# KiCad board PicoGUS chipdown with edge rails.kicad_pcb (continued)
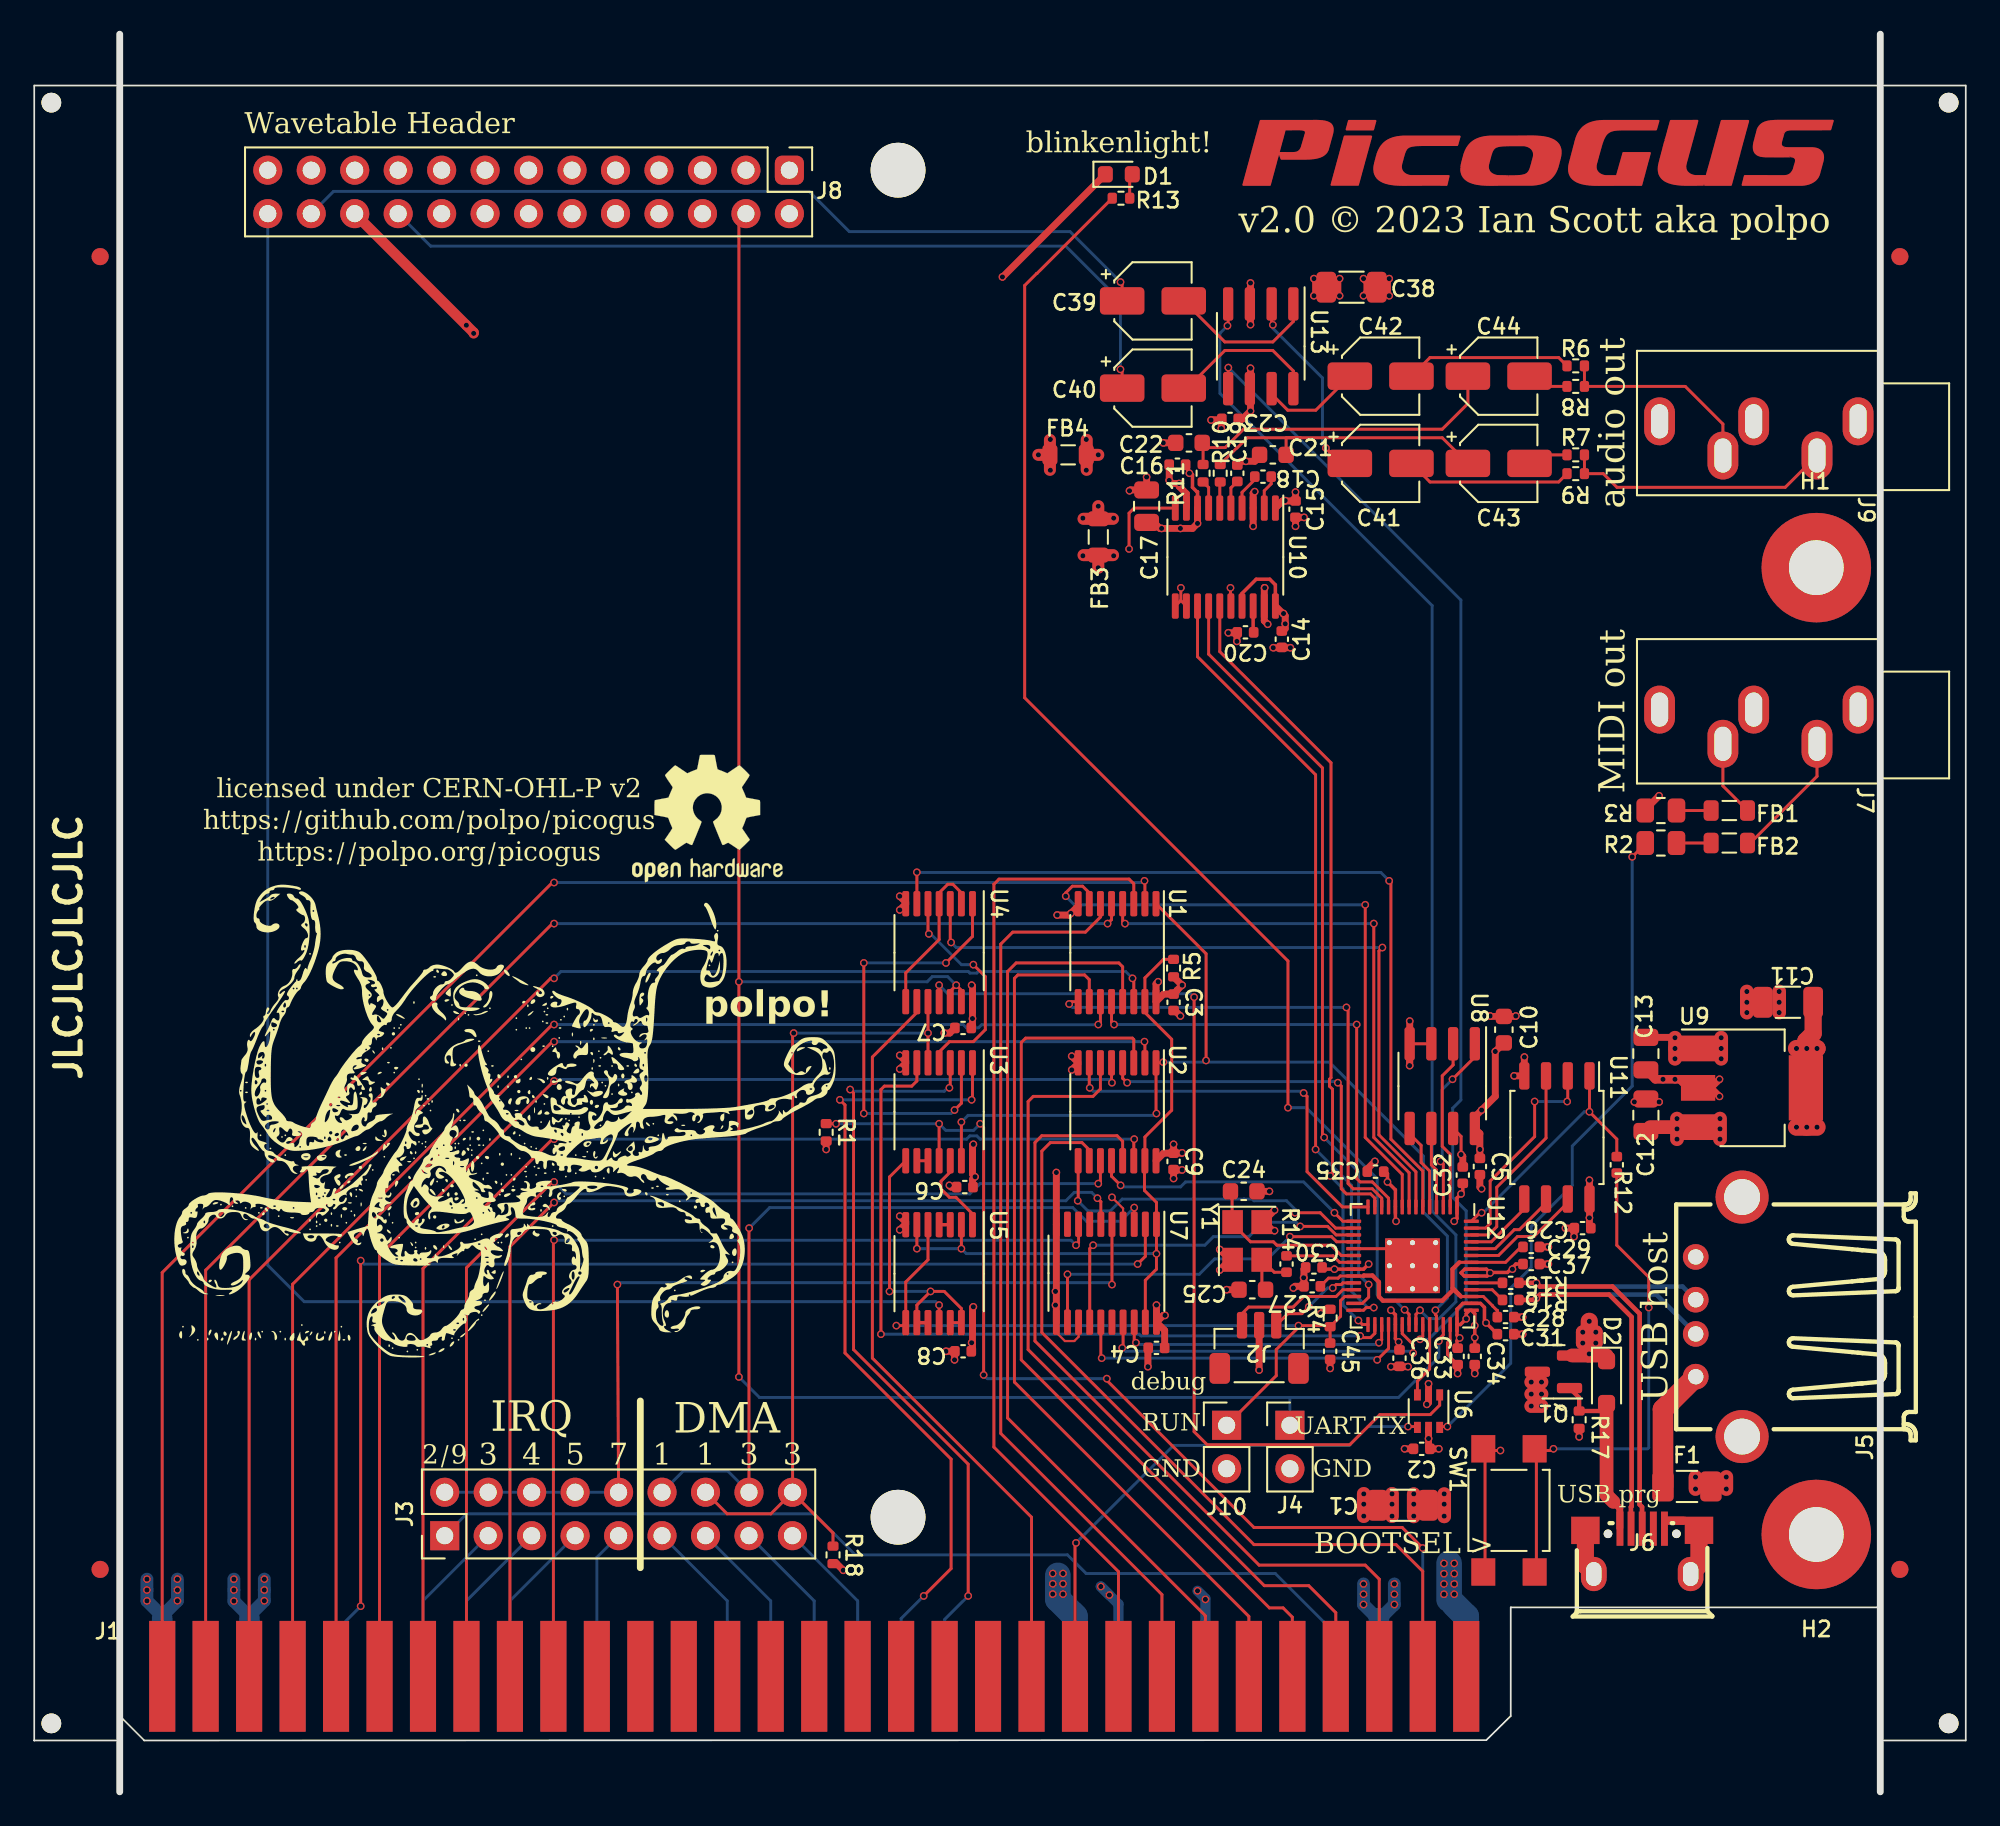
[diagram p0: board, top side]
## Routing (per net, layer and track width the routed paths; a pad name or vN(x,y) marks a point on that pad's centre or on a via; arc(x,y) is an arc through that point) (continued)
Board_0-WTAUDIO_R: length 49.7
  Top w0.171: v1(63.47,83.15) 63.57,83.05 63.57,81.85
  Bottom w0.171: J8.20 23.17,90.35 60.28,90.35 63.47,87.15 v1(63.47,83.15)
Board_0-~{BUSOE}: length 40.4
  Top w0.171: 64.9,45.55 66.47,43.99 66.47,39.84 64.9,38.27 U2.15 ; U5.6 v1(51.58,31.75) ; R5.2 65.99,48.66 64.9,47.57 U1.15 ; U5.2 v1(54.18,31.75) ; U7.19 64.93,29.9 65.58,30.55 v1(65.58,31.45) U7.1 65.58,34.45 64.88,35.15 64.88,36.86
  Bottom w0.171: 65.57,31.46 54.47,31.46 v1(54.18,31.75) v1(51.58,31.75)
Board_0-~{IOR}: length 47.5
  Top w0.171: v1(54.78,40.45) 54.83,40.5 U3.1 ; v1(51.98,11.45) 53.58,13.05 53.58,19.45 47.38,25.65 47.38,40.15 v1(47.08,40.45)
  Bottom w0.171: J1.14 50.66,10.13 v1(51.98,11.45) ; v1(54.78,40.45) v1(47.08,40.45)
Board_0-~{IOW}: length 45.1
  Top w0.171: U3.3 53.53,41.2 v1(53.48,41.15) ; v1(47.68,41.05) 47.88,40.85 47.88,25.85 54.58,19.15 v1(54.58,11.45)
  Bottom w0.171: v1(53.48,41.15) 53.38,41.15 53.18,40.95 47.78,40.95 v1(47.68,41.05) ; J1.13 53.2,10.07 v1(54.58,11.45)
Board_0-~{RDACK}: length 47.2
  Top w0.171: v1(77.48,26.65) 77.58,26.55 78.09,26.55 78.34,26.8 U12.30 ; U3.6 51.58,41.55 51.28,41.25 49.68,41.25 49.48,41.05 v1(49.48,26.75)
  Bottom w0.171: v1(49.48,26.75) 64.57,26.75 64.67,26.65 v1(77.48,26.65)
Board_0-~{RIOR}: length 43.7
  Top w0.171: v1(53.58,49.65) 53.53,49.7 U4.3 ; U12.7 80.74,36.24 78.58,38.4 78.58,49.15 v1(78.78,49.35)
  Bottom w0.171: v1(78.78,49.35) 53.88,49.35 v1(53.58,49.65)
Board_0-~{RIOW}: length 49.5
  Top w0.171: v1(79.18,53.25) 79.28,53.15 79.28,38.15 81.14,36.29 U12.6 ; U4.6 v1(51.58,53.75)
  Bottom w0.171: v1(51.58,53.75) 51.59,53.74 78.69,53.74 v1(79.18,53.25)
Board_0-~{SPI_CS}: length 9.7
  Top w0.171: U12.3 82.34,36.69 v1(82.18,36.85) ; v1(82.88,41.65) 84.18,42.95
  Bottom w0.171: v1(82.18,36.85) 82.28,36.95 82.28,41.05 v1(82.88,41.65)
Board_0-~{WT_RESET}: length 102.7
  Top w0.171: U5.11 v1(52.88,28.45)
  Bottom w0.171: v1(52.88,28.45) 52.68,28.65 15.78,28.65 13.65,30.78 J8.26

## Copper pours and planes (outline as drawn; the poured copper is in the pictures)
Board_0-+3V3 on In2.Cu: 26.29,89.05 60.28,89.05 60.28,73.05 107.88,73.05 107.88,10.75 26.29,10.75
Board_0-AGND on In1.Cu: 4.98,99.75 107.88,99.75 107.88,73.55 60.78,73.55 60.78,89.55 4.98,89.55
Board_0-AVDD on In2.Cu: 4.98,99.75 107.88,99.75 107.88,73.55 60.78,73.55 60.78,89.55 4.98,89.55
Board_0-GND on In1.Cu: 4.98,89.05 60.28,89.05 60.28,73.05 107.88,73.05 107.88,10.75 4.98,10.75

Small or netless copper shapes (teardrops, artwork), in the pictures only: 16 on Top

## Text on the board
B.Silkscreen: Leaded Solder / Nicole Express / PickledDog / rasz_pl / root42 / Studio8502 / SuperIlu / TechAmbrosia / Todd Gill / tom7 / Tube Time / vswitchzero / yyzkevin / Zago / everyone on Mastodon and Vogons / everyone who contributed hardware or $$$ / and the Retro Pico Hardware Discord / for various combinations of / inspiration, ideas, code, / and/or help | thanks to: / 48kRAM / Aaron Giles / Adrian Black / Chrissy / Claude Schwarz / deck/scoopex / djh0ffman / FireTwoOneNine / foone / FreddyV / furan / Graham Sanderson / HeathenUK / indigoparadox / Jim Leonard / Jonathan Campbell / Konrad Beckmann | designed in / Colorado
Edge.Cuts: V-CUT
F.Silkscreen: JLCJLCJLCJLC | USB prg | debug | RUN | GND | UART TX | licensed under CERN-OHL-P v2 / https://github.com/polpo/picogus / https://polpo.org/picogus | 2/9 | Wavetable Header | BOOTSEL > | blinkenlight! | 3 | 4 | 5 | 7 | 1 | v2.0 © 2023 Ian Scott aka polpo | audio out | MIDI out | USB host | polpo! | IRQ | DMA
